# KiCad board BioAmp-EXG-Panel.kicad_pcb (continued)
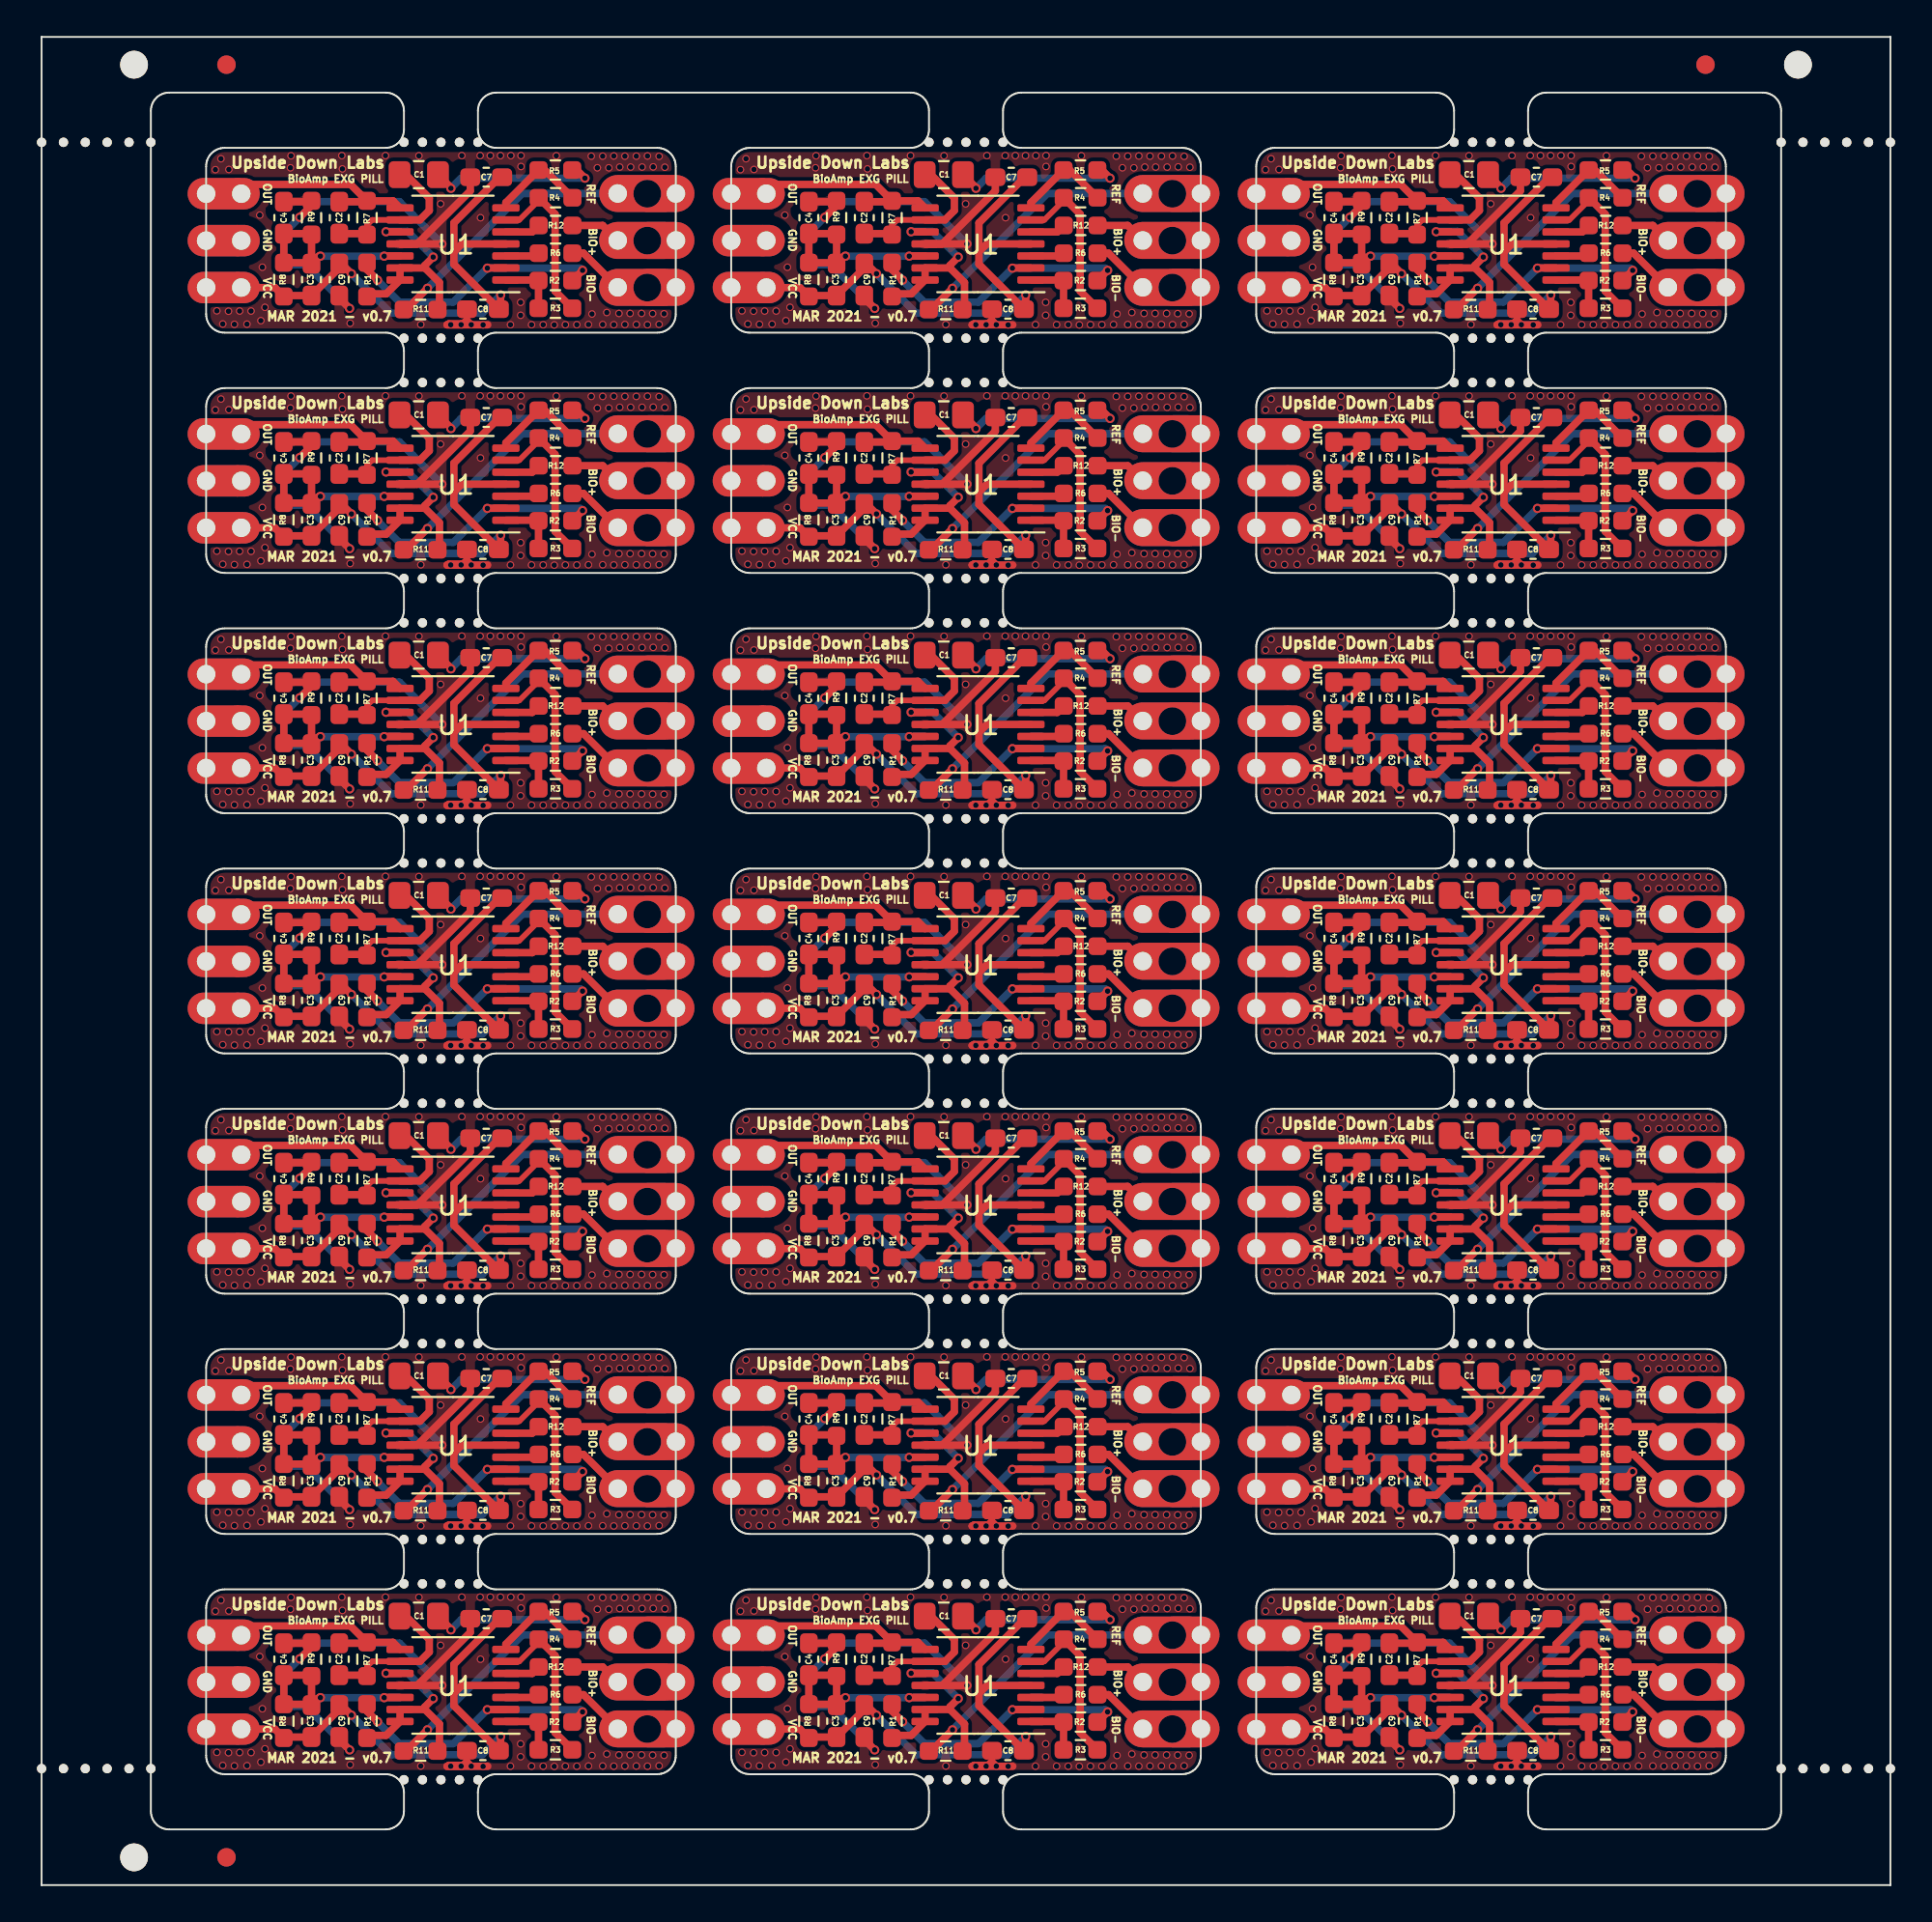
[diagram p0: board, top side]
## Routing (per net, layer and track width the routed paths; a pad name or vN(x,y) marks a point on that pad's centre or on a via; arc(x,y) is an arc through that point) (continued)
Board_13-Net-(R3-Pad1): length 9.1
  Top w0.3: U1#13.6 25.84,38.1 26.89,39.15 R4#13.2
  Top w0.4: R3#13.1 27.78,34.25 27.78,38.41 R4#13.2
Board_13-Net-(R6-Pad1): length 1.8
  Top w0.4: R6#13.1 26.74,36.15 U1#13.3
Board_13-Net-(R12-Pad1): length 1.9
  Top w0.4: R12#13.1 26.54,37.45 U1#13.5
Board_13-OUT: length 11.2
  Top w0.4: R7#13.1 17.55,39.08 C2#13.1 ; R7#13.1 16.71,40.02 10.91,40.02 10.41,39.52 ; R7#13.1 19.01,39.13 U1#13.8
Board_13-VCC: length 30.7
  Top w0.4: 10.41,34.44 12.62,34.44 R8#13.2 13.15,34.01 C3#13.1 16.1,35.51 C9#13.2 16.22,35.73 v2(16.76,35.19) ; 24.81,33.25 24.81,33.52 ; 24.81,33.25 24.81,33.26 ; 24.81,33.25 24.81,33.27 ; U1#13.4 22.73,36.8 22.3,36.37 ; 22.3,36.37 22.3,37.94 24.77,40.41 C7#13.1 ; 22.3,36.37 22.3,35.7 C8#13.2 24.83,33.37 v2(24.83,34.04)
  Top w0.5: 10.75,34.24 10.57,34.42
  Bottom w0.4: v2(24.83,34.04) 23.84,33.05 18.9,33.05 v2(16.76,35.19)
Board_13-vRef: length 11.4
  Top w0.4: C3#13.2 R9#13.2 14.55,37.36 C4#13.1 R8#13.1 14.55,35.78 C3#13.2 ; C3#13.2 14.71,35.73 ; C3#13.2 14.69,35.73 ; C3#13.2 15.01,36.14 v2(15.08,36.14) ; v2(18.53,36.14) 18.54,36.15 U1#13.12
  Bottom w0.4: v2(18.53,36.14) v2(15.08,36.14)
Board_14-ampRef: length 11.4
  Top w0.4: R1#14.2 46.14,34.1 47.04,34.1 U1#14.14 U1#14.13 49.13,35.5 ; R11#14.2 49.92,33.36 49.92,34.71 49.13,35.5 ; 49.13,35.5 49.13,35.64 v2(49.58,36.09) ; 47.03,37.48 47.06,37.45 U1#14.10
  Bottom w0.4: v2(49.58,36.09) 48.19,37.48 47.03,37.48
  vias: v2(47.03,37.46)
Board_14-BIO+: length 2.9
  Top w0.4: 57.2,37.8 R12#14.2 58.75,37.8 J1#28.2
  vias: v1(61.16,36.98)
Board_14-BIO-: length 5.3
  Top w0.4: 59.29,34.41 61.1,34.41 ; 57.4,36.3 R6#14.2 57.71,36.3 J1#28.3
  vias: v1(61.16,34.44)
Board_14-DRL: length 14.3
  Top w0.4: 47.99,33.34 R11#14.1 48.12,33.25 v2(49.27,34.4)
  Bottom w0.4: J1#28.1 54.4,39.53 v2(49.27,34.4)
  vias: v1(61.16,39.52)
Board_14-GND: length 35.9
  Top w0.3: 51.13,32.48 51.41,32.76 C8#14.1 51.41,32.72 51.65,32.48
  Top w0.4: C4#14.2 42.95,39.08 R9#14.1 43,38.88 v2(42.36,38.24) ; U1#14.11 48.7,36.8 ; U1#14.11 48.58,36.8 ; U1#14.11 48.71,36.8 51.59,39.67 C7#14.2 ; U1#14.11 v2(50.05,36.8) ; 51.49,33.25 51.34,33.25 ; 51.13,32.99 C8#14.1 51.65,33.03 ; 50.45,32.46 50.43,32.48 51.1,32.48 51.15,32.42 50.33,32.42 52.53,32.42 ; v2(45.06,33.31) 44.5,33.87 C9#14.1
  Bottom w0.4: v2(50.05,36.8) 47.76,39.09 43.21,39.09 v2(42.36,38.24) 41.5,37.38 41.5,36.21 42.04,35.67 42.7,35.67 v2(45.06,33.31)
  vias: v3(37.8,40.82) v3(37.88,33.18) v3(38.1,41.41) v3(38.2,32.47) v3(38.53,40.83) v3(38.51,33.16) v3(38.83,32.45) v3(39.11,33.17) v3(39.51,32.46) v3(39.73,33.17) v3(40.2,38.36) v3(40.34,35.54) v3(40.26,32.65) v3(40.48,33.37) v3(41.89,41.57) v3(41.86,40.92) v3(44.64,41.58) v3(44.67,40.86) v3(45.09,32.51) v3(47,41.58) v3(48.81,41.57) v3(48.91,32.44) v3(49.98,38.97) v3(50.53,32.43) v3(51.13,41.58) v3(51.09,32.43) v3(51.64,32.43) v3(52.12,41.58) v3(52.14,38.22) v3(52.28,32.42) v3(52.67,41.58) v3(53.22,41.58) v3(53.78,41.58) v3(53.76,32.43) v3(54.33,41.58) v3(54.33,40.99) v3(54.31,33.64) v3(54.31,32.94) v3(54.9,32.43) v3(55.53,32.43) v3(56.13,32.42) v3(56.24,41.57) v3(56.73,32.43) v3(57.35,32.43) v3(57.98,32.44) v3(58.13,41.55) v3(58.17,33.01) v3(58.46,40.92) v3(58.75,41.55) v3(58.75,32.44) v3(58.97,33.09) v3(59.08,40.92) v3(59.35,41.56) v3(59.35,32.43) v3(59.63,33.04) v3(59.67,40.96) v3(59.95,41.55) v3(59.95,32.44) v3(60.23,33.04) v3(60.26,40.96) v3(60.57,41.55) v3(60.57,32.44) v3(60.88,40.96) v3(60.85,33.04) v3(61.17,41.56) v3(61.17,32.43) v3(61.48,40.97) v3(61.45,33.03) v3(61.8,41.54) v3(61.8,32.45) v3(62.11,40.95) v3(62.07,33.02)
Board_14-inaOUT: length 5.2
  Top w0.4: R4#14.1 55.61,40.8 R5#14.2 53.51,39.03 U1#14.7
Board_14-Net-(C1-Pad1): length 8.6
  Top w0.3: U1#14.9 46.28,38.1 46,37.82 R7#14.2
  Top w0.4: R7#14.2 45.95,37.36 C2#14.2 ; 47.8,40.55 C1#14.1 48.11,40.55 49.37,39.29 49.37,38.61 48.86,38.1 U1#14.9
Board_14-Net-(C1-Pad2): length 9.4
  Top w0.4: 49.84,40.59 C1#14.2 50.54,39.85 v2(50.54,39.81) ; v2(57.79,40.36) 57.35,40.8 R5#14.1
  Bottom w0.4: v2(50.54,39.81) 51.09,40.36 v2(57.79,40.36)
Board_14-Net-(R1-Pad1): length 15.3
  Top w0.4: v2(52.51,35.49) 52.52,35.5 U1#14.2 ; v2(57.66,35.37) 57.11,34.82 R2#14.2 ; v2(46.57,34.84) 46,35.41 R1#14.1
  Bottom w0.4: v2(57.66,35.37) 57.54,35.49 v2(52.51,35.49) 50.67,33.65 47.75,33.65 46.61,34.79
Board_14-Net-(R2-Pad1): length 3.3
  Top w0.4: R3#14.2 R2#14.1 55.25,34.85 U1#14.1
Board_14-Net-(R3-Pad1): length 9.1
  Top w0.3: U1#14.6 54.24,38.1 55.29,39.15 R4#14.2
  Top w0.4: R3#14.1 56.18,34.25 56.18,38.41 R4#14.2
Board_14-Net-(R6-Pad1): length 1.8
  Top w0.4: R6#14.1 55.14,36.15 U1#14.3
Board_14-Net-(R12-Pad1): length 1.9
  Top w0.4: R12#14.1 54.94,37.45 U1#14.5
Board_14-OUT: length 11.2
  Top w0.4: R7#14.1 45.95,39.08 C2#14.1 ; R7#14.1 45.11,40.02 39.31,40.02 38.81,39.52 ; R7#14.1 47.41,39.13 U1#14.8
Board_14-VCC: length 30.7
  Top w0.4: 38.81,34.44 41.02,34.44 R8#14.2 41.55,34.01 C3#14.1 44.5,35.51 C9#14.2 44.62,35.73 v2(45.16,35.19) ; 53.21,33.25 53.21,33.52 ; 53.21,33.25 53.21,33.26 ; 53.21,33.25 53.21,33.27 ; U1#14.4 51.13,36.8 50.7,36.37 ; 50.7,36.37 50.7,37.94 53.17,40.41 C7#14.1 ; 50.7,36.37 50.7,35.7 C8#14.2 53.23,33.37 v2(53.23,34.04)
  Top w0.5: 39.15,34.24 38.97,34.42
  Bottom w0.4: v2(53.23,34.04) 52.24,33.05 47.3,33.05 v2(45.16,35.19)
Board_14-vRef: length 11.4
  Top w0.4: C3#14.2 R9#14.2 42.95,37.36 C4#14.1 R8#14.1 42.95,35.78 C3#14.2 ; C3#14.2 43.11,35.73 ; C3#14.2 43.09,35.73 ; C3#14.2 43.41,36.14 v2(43.48,36.14) ; v2(46.93,36.14) 46.94,36.15 U1#14.12
  Bottom w0.4: v2(46.93,36.14) v2(43.48,36.14)
Board_15-ampRef: length 11.4
  Top w0.4: R1#15.2 74.54,34.1 75.44,34.1 U1#15.14 U1#15.13 77.53,35.5 ; R11#15.2 78.32,33.36 78.32,34.71 77.53,35.5 ; 77.53,35.5 77.53,35.64 v2(77.98,36.09) ; 75.43,37.48 75.46,37.45 U1#15.10
  Bottom w0.4: v2(77.98,36.09) 76.59,37.48 75.43,37.48
  vias: v2(75.43,37.46)
Board_15-BIO+: length 2.9
  Top w0.4: 85.6,37.8 R12#15.2 87.15,37.8 J1#30.2
  vias: v1(89.56,36.98)
Board_15-BIO-: length 5.3
  Top w0.4: 87.69,34.41 89.5,34.41 ; 85.8,36.3 R6#15.2 86.11,36.3 J1#30.3
  vias: v1(89.56,34.44)
Board_15-DRL: length 14.3
  Top w0.4: 76.39,33.34 R11#15.1 76.52,33.25 v2(77.67,34.4)
  Bottom w0.4: J1#30.1 82.8,39.53 v2(77.67,34.4)
  vias: v1(89.56,39.52)
Board_15-GND: length 35.9
  Top w0.3: 79.53,32.48 79.81,32.76 C8#15.1 79.81,32.72 80.05,32.48
  Top w0.4: C4#15.2 71.35,39.08 R9#15.1 71.4,38.88 v2(70.76,38.24) ; U1#15.11 77.1,36.8 ; U1#15.11 76.98,36.8 ; U1#15.11 77.11,36.8 79.99,39.67 C7#15.2 ; U1#15.11 v2(78.45,36.8) ; 79.89,33.25 79.74,33.25 ; 79.53,32.99 C8#15.1 80.05,33.03 ; 78.85,32.46 78.83,32.48 79.5,32.48 79.56,32.42 78.73,32.42 80.93,32.42 ; v2(73.46,33.31) 72.9,33.87 C9#15.1
  Bottom w0.4: v2(78.45,36.8) 76.16,39.09 71.61,39.09 v2(70.76,38.24) 69.9,37.38 69.9,36.21 70.44,35.67 71.1,35.67 v2(73.46,33.31)
  vias: v3(66.2,40.82) v3(66.28,33.18) v3(66.5,41.41) v3(66.6,32.47) v3(66.93,40.83) v3(66.91,33.16) v3(67.23,32.45) v3(67.51,33.17) v3(67.91,32.46) v3(68.13,33.17) v3(68.6,38.36) v3(68.74,35.54) v3(68.66,32.65) v3(68.88,33.37) v3(70.29,41.57) v3(70.26,40.92) v3(73.04,41.58) v3(73.07,40.86) v3(73.49,32.51) v3(75.4,41.58) v3(77.21,41.57) v3(77.31,32.44) v3(78.38,38.97) v3(78.93,32.43) v3(79.53,41.58) v3(79.49,32.43) v3(80.04,32.43) v3(80.52,41.58) v3(80.54,38.22) v3(80.68,32.42) v3(81.07,41.58) v3(81.62,41.58) v3(82.18,41.58) v3(82.16,32.43) v3(82.73,41.58) v3(82.73,40.99) v3(82.71,33.64) v3(82.71,32.94) v3(83.3,32.43) v3(83.93,32.43) v3(84.53,32.42) v3(84.64,41.57) v3(85.13,32.43) v3(85.75,32.43) v3(86.38,32.44) v3(86.53,41.55) v3(86.57,33.01) v3(86.86,40.92) v3(87.15,41.55) v3(87.15,32.44) v3(87.37,33.09) v3(87.48,40.92) v3(87.75,41.56) v3(87.75,32.43) v3(88.03,33.04) v3(88.07,40.96) v3(88.35,41.55) v3(88.35,32.44) v3(88.63,33.04) v3(88.66,40.96) v3(88.97,41.55) v3(88.97,32.44) v3(89.28,40.96) v3(89.25,33.04) v3(89.57,41.56) v3(89.57,32.43) v3(89.88,40.97) v3(89.85,33.03) v3(90.2,41.54) v3(90.2,32.45) v3(90.51,40.95) v3(90.47,33.02)
Board_15-inaOUT: length 5.2
  Top w0.4: R4#15.1 84.01,40.8 R5#15.2 81.91,39.03 U1#15.7
Board_15-Net-(C1-Pad1): length 8.6
  Top w0.3: U1#15.9 74.68,38.1 74.4,37.82 R7#15.2
  Top w0.4: R7#15.2 74.35,37.36 C2#15.2 ; 76.2,40.55 C1#15.1 76.51,40.55 77.77,39.29 77.77,38.61 77.26,38.1 U1#15.9
Board_15-Net-(C1-Pad2): length 9.4
  Top w0.4: 78.24,40.59 C1#15.2 78.94,39.85 v2(78.94,39.81) ; v2(86.19,40.36) 85.75,40.8 R5#15.1
  Bottom w0.4: v2(78.94,39.81) 79.49,40.36 v2(86.19,40.36)
Board_15-Net-(R1-Pad1): length 15.3
  Top w0.4: v2(80.91,35.49) 80.92,35.5 U1#15.2 ; v2(86.06,35.37) 85.51,34.82 R2#15.2 ; v2(74.97,34.84) 74.4,35.41 R1#15.1
  Bottom w0.4: v2(86.06,35.37) 85.94,35.49 v2(80.91,35.49) 79.07,33.65 76.15,33.65 75.01,34.79
Board_15-Net-(R2-Pad1): length 3.3
  Top w0.4: R3#15.2 R2#15.1 83.65,34.85 U1#15.1
Board_15-Net-(R3-Pad1): length 9.1
  Top w0.3: U1#15.6 82.64,38.1 83.69,39.15 R4#15.2
  Top w0.4: R3#15.1 84.58,34.25 84.58,38.41 R4#15.2
Board_15-Net-(R6-Pad1): length 1.8
  Top w0.4: R6#15.1 83.54,36.15 U1#15.3
Board_15-Net-(R12-Pad1): length 1.9
  Top w0.4: R12#15.1 83.34,37.45 U1#15.5
Board_15-OUT: length 11.2
  Top w0.4: R7#15.1 74.35,39.08 C2#15.1 ; R7#15.1 73.51,40.02 67.71,40.02 67.21,39.52 ; R7#15.1 75.81,39.13 U1#15.8
Board_15-VCC: length 30.7
  Top w0.4: 67.21,34.44 69.42,34.44 R8#15.2 69.95,34.01 C3#15.1 72.9,35.51 C9#15.2 73.02,35.73 v2(73.56,35.19) ; 81.61,33.25 81.61,33.52 ; 81.61,33.25 81.61,33.26 ; 81.61,33.25 81.61,33.27 ; U1#15.4 79.53,36.8 79.1,36.37 ; 79.1,36.37 79.1,37.94 81.57,40.41 C7#15.1 ; 79.1,36.37 79.1,35.7 C8#15.2 81.63,33.37 v2(81.63,34.04)
  Top w0.5: 67.55,34.24 67.37,34.42
  Bottom w0.4: v2(81.63,34.04) 80.64,33.05 75.7,33.05 v2(73.56,35.19)
Board_15-vRef: length 11.4
  Top w0.4: C3#15.2 R9#15.2 71.35,37.36 C4#15.1 R8#15.1 71.35,35.78 C3#15.2 ; C3#15.2 71.51,35.73 ; C3#15.2 71.49,35.73 ; C3#15.2 71.81,36.14 v2(71.88,36.14) ; v2(75.33,36.14) 75.34,36.15 U1#15.12
  Bottom w0.4: v2(75.33,36.14) v2(71.88,36.14)
Board_16-ampRef: length 11.4
  Top w0.4: R1#16.2 17.74,21.1 18.64,21.1 U1#16.14 U1#16.13 20.73,22.5 ; R11#16.2 21.52,20.36 21.52,21.71 20.73,22.5 ; 20.73,22.5 20.73,22.64 v2(21.18,23.09) ; 18.63,24.48 18.66,24.45 U1#16.10
  Bottom w0.4: v2(21.18,23.09) 19.79,24.48 18.63,24.48
  vias: v2(18.63,24.46)
Board_16-BIO+: length 2.9
  Top w0.4: 28.8,24.8 R12#16.2 30.35,24.8 J1#32.2
  vias: v1(32.76,23.98)
Board_16-BIO-: length 5.3
  Top w0.4: 30.89,21.41 32.7,21.41 ; 29,23.3 R6#16.2 29.31,23.3 J1#32.3
  vias: v1(32.76,21.44)
Board_16-DRL: length 14.3
  Top w0.4: 19.59,20.34 R11#16.1 19.72,20.25 v2(20.87,21.4)
  Bottom w0.4: J1#32.1 26,26.53 v2(20.87,21.4)
  vias: v1(32.76,26.52)
Board_16-GND: length 35.9
  Top w0.3: 22.73,19.48 23.01,19.76 C8#16.1 23.01,19.72 23.25,19.48
  Top w0.4: C4#16.2 14.55,26.08 R9#16.1 14.6,25.88 v2(13.96,25.24) ; U1#16.11 20.3,23.8 ; U1#16.11 20.18,23.8 ; U1#16.11 20.31,23.8 23.19,26.67 C7#16.2 ; U1#16.11 v2(21.65,23.8) ; 23.09,20.25 22.94,20.25 ; 22.73,19.99 C8#16.1 23.25,20.03 ; 22.05,19.46 22.03,19.48 22.7,19.48 22.75,19.42 21.93,19.42 24.13,19.42 ; v2(16.66,20.31) 16.1,20.87 C9#16.1
  Bottom w0.4: v2(21.65,23.8) 19.36,26.09 14.81,26.09 v2(13.96,25.24) 13.1,24.38 13.1,23.21 13.64,22.67 14.3,22.67 v2(16.66,20.31)
  vias: v3(9.4,27.82) v3(9.48,20.18) v3(9.7,28.41) v3(9.8,19.47) v3(10.13,27.83) v3(10.11,20.16) v3(10.43,19.45) v3(10.71,20.17) v3(11.11,19.46) v3(11.33,20.17) v3(11.8,25.36) v3(11.94,22.54) v3(11.86,19.65) v3(12.08,20.37) v3(13.49,28.57) v3(13.46,27.92) v3(16.24,28.58) v3(16.27,27.86) v3(16.69,19.51) v3(18.6,28.58) v3(20.41,28.57) v3(20.51,19.44) v3(21.58,25.97) v3(22.13,19.43) v3(22.73,28.58) v3(22.69,19.43) v3(23.24,19.43) v3(23.72,28.58) v3(23.74,25.22) v3(23.88,19.42) v3(24.27,28.58) v3(24.82,28.58) v3(25.38,28.58) v3(25.36,19.43) v3(25.93,28.58) v3(25.93,27.99) v3(25.91,20.64) v3(25.91,19.94) v3(26.5,19.43) v3(27.13,19.43) v3(27.73,19.42) v3(27.84,28.57) v3(28.33,19.43) v3(28.95,19.43) v3(29.58,19.44) v3(29.73,28.55) v3(29.77,20.01) v3(30.06,27.92) v3(30.35,28.55) v3(30.35,19.44) v3(30.57,20.09) v3(30.68,27.92) v3(30.95,28.56) v3(30.95,19.43) v3(31.23,20.04) v3(31.27,27.96) v3(31.55,28.55) v3(31.55,19.44) v3(31.83,20.04) v3(31.86,27.96) v3(32.17,28.55) v3(32.17,19.44) v3(32.48,27.96) v3(32.45,20.04) v3(32.77,28.56) v3(32.77,19.43) v3(33.08,27.97) v3(33.05,20.03) v3(33.4,28.54) v3(33.4,19.45) v3(33.71,27.95) v3(33.67,20.02)
Board_16-inaOUT: length 5.2
  Top w0.4: R4#16.1 27.21,27.8 R5#16.2 25.11,26.03 U1#16.7
Board_16-Net-(C1-Pad1): length 8.6
  Top w0.3: U1#16.9 17.88,25.1 17.6,24.82 R7#16.2
  Top w0.4: R7#16.2 17.55,24.36 C2#16.2 ; 19.4,27.55 C1#16.1 19.71,27.55 20.97,26.29 20.97,25.61 20.46,25.1 U1#16.9
Board_16-Net-(C1-Pad2): length 9.4
  Top w0.4: 21.44,27.59 C1#16.2 22.14,26.85 v2(22.14,26.81) ; v2(29.39,27.36) 28.95,27.8 R5#16.1
  Bottom w0.4: v2(22.14,26.81) 22.69,27.36 v2(29.39,27.36)
Board_16-Net-(R1-Pad1): length 15.3
  Top w0.4: v2(24.11,22.49) 24.12,22.5 U1#16.2 ; v2(29.26,22.37) 28.71,21.82 R2#16.2 ; v2(18.17,21.84) 17.6,22.41 R1#16.1
  Bottom w0.4: v2(29.26,22.37) 29.14,22.49 v2(24.11,22.49) 22.27,20.65 19.35,20.65 18.21,21.79
Board_16-Net-(R2-Pad1): length 3.3
  Top w0.4: R3#16.2 R2#16.1 26.85,21.85 U1#16.1
Board_16-Net-(R3-Pad1): length 9.1
  Top w0.3: U1#16.6 25.84,25.1 26.89,26.15 R4#16.2
  Top w0.4: R3#16.1 27.78,21.25 27.78,25.41 R4#16.2
Board_16-Net-(R6-Pad1): length 1.8
  Top w0.4: R6#16.1 26.74,23.15 U1#16.3
Board_16-Net-(R12-Pad1): length 1.9
  Top w0.4: R12#16.1 26.54,24.45 U1#16.5
Board_16-OUT: length 11.2
  Top w0.4: R7#16.1 17.55,26.08 C2#16.1 ; R7#16.1 16.71,27.02 10.91,27.02 10.41,26.52 ; R7#16.1 19.01,26.13 U1#16.8
Board_16-VCC: length 30.7
  Top w0.4: 10.41,21.44 12.62,21.44 R8#16.2 13.15,21.01 C3#16.1 16.1,22.51 C9#16.2 16.22,22.73 v2(16.76,22.19) ; 24.81,20.25 24.81,20.52 ; 24.81,20.25 24.81,20.26 ; 24.81,20.25 24.81,20.27 ; U1#16.4 22.73,23.8 22.3,23.37 ; 22.3,23.37 22.3,24.94 24.77,27.41 C7#16.1 ; 22.3,23.37 22.3,22.7 C8#16.2 24.83,20.37 v2(24.83,21.04)
  Top w0.5: 10.75,21.24 10.57,21.42
  Bottom w0.4: v2(24.83,21.04) 23.84,20.05 18.9,20.05 v2(16.76,22.19)
Board_16-vRef: length 11.4
  Top w0.4: C3#16.2 R9#16.2 14.55,24.36 C4#16.1 R8#16.1 14.55,22.78 C3#16.2 ; C3#16.2 14.71,22.73 ; C3#16.2 14.69,22.73 ; C3#16.2 15.01,23.14 v2(15.08,23.14) ; v2(18.53,23.14) 18.54,23.15 U1#16.12
  Bottom w0.4: v2(18.53,23.14) v2(15.08,23.14)
Board_17-ampRef: length 11.4
  Top w0.4: R1#17.2 46.14,21.1 47.04,21.1 U1#17.14 U1#17.13 49.13,22.5 ; R11#17.2 49.92,20.36 49.92,21.71 49.13,22.5 ; 49.13,22.5 49.13,22.64 v2(49.58,23.09) ; 47.03,24.48 47.06,24.45 U1#17.10
  Bottom w0.4: v2(49.58,23.09) 48.19,24.48 47.03,24.48
  vias: v2(47.03,24.46)
Board_17-BIO+: length 2.9
  Top w0.4: 57.2,24.8 R12#17.2 58.75,24.8 J1#34.2
  vias: v1(61.16,23.98)
Board_17-BIO-: length 5.3
  Top w0.4: 59.29,21.41 61.1,21.41 ; 57.4,23.3 R6#17.2 57.71,23.3 J1#34.3
  vias: v1(61.16,21.44)
Board_17-DRL: length 14.3
  Top w0.4: 47.99,20.34 R11#17.1 48.12,20.25 v2(49.27,21.4)
  Bottom w0.4: J1#34.1 54.4,26.53 v2(49.27,21.4)
  vias: v1(61.16,26.52)
Board_17-GND: length 35.9
  Top w0.3: 51.13,19.48 51.41,19.76 C8#17.1 51.41,19.72 51.65,19.48
  Top w0.4: C4#17.2 42.95,26.08 R9#17.1 43,25.88 v2(42.36,25.24) ; U1#17.11 48.7,23.8 ; U1#17.11 48.58,23.8 ; U1#17.11 48.71,23.8 51.59,26.67 C7#17.2 ; U1#17.11 v2(50.05,23.8) ; 51.49,20.25 51.34,20.25 ; 51.13,19.99 C8#17.1 51.65,20.03 ; 50.45,19.46 50.43,19.48 51.1,19.48 51.15,19.42 50.33,19.42 52.53,19.42 ; v2(45.06,20.31) 44.5,20.87 C9#17.1
  Bottom w0.4: v2(50.05,23.8) 47.76,26.09 43.21,26.09 v2(42.36,25.24) 41.5,24.38 41.5,23.21 42.04,22.67 42.7,22.67 v2(45.06,20.31)
  vias: v3(37.8,27.82) v3(37.88,20.18) v3(38.1,28.41) v3(38.2,19.47) v3(38.53,27.83) v3(38.51,20.16) v3(38.83,19.45) v3(39.11,20.17) v3(39.51,19.46) v3(39.73,20.17) v3(40.2,25.36) v3(40.34,22.54) v3(40.26,19.65) v3(40.48,20.37) v3(41.89,28.57) v3(41.86,27.92) v3(44.64,28.58) v3(44.67,27.86) v3(45.09,19.51) v3(47,28.58) v3(48.81,28.57) v3(48.91,19.44) v3(49.98,25.97) v3(50.53,19.43) v3(51.13,28.58) v3(51.09,19.43) v3(51.64,19.43) v3(52.12,28.58) v3(52.14,25.22) v3(52.28,19.42) v3(52.67,28.58) v3(53.22,28.58) v3(53.78,28.58) v3(53.76,19.43) v3(54.33,28.58) v3(54.33,27.99) v3(54.31,20.64) v3(54.31,19.94) v3(54.9,19.43) v3(55.53,19.43) v3(56.13,19.42) v3(56.24,28.57) v3(56.73,19.43) v3(57.35,19.43) v3(57.98,19.44) v3(58.13,28.55) v3(58.17,20.01) v3(58.46,27.92) v3(58.75,28.55) v3(58.75,19.44) v3(58.97,20.09) v3(59.08,27.92) v3(59.35,28.56) v3(59.35,19.43) v3(59.63,20.04) v3(59.67,27.96) v3(59.95,28.55) v3(59.95,19.44) v3(60.23,20.04) v3(60.26,27.96) v3(60.57,28.55) v3(60.57,19.44) v3(60.88,27.96) v3(60.85,20.04) v3(61.17,28.56) v3(61.17,19.43) v3(61.48,27.97) v3(61.45,20.03) v3(61.8,28.54) v3(61.8,19.45) v3(62.11,27.95) v3(62.07,20.02)
Board_17-inaOUT: length 5.2
  Top w0.4: R4#17.1 55.61,27.8 R5#17.2 53.51,26.03 U1#17.7
Board_17-Net-(C1-Pad1): length 8.6
  Top w0.3: U1#17.9 46.28,25.1 46,24.82 R7#17.2
  Top w0.4: R7#17.2 45.95,24.36 C2#17.2 ; 47.8,27.55 C1#17.1 48.11,27.55 49.37,26.29 49.37,25.61 48.86,25.1 U1#17.9
Board_17-Net-(C1-Pad2): length 9.4
  Top w0.4: 49.84,27.59 C1#17.2 50.54,26.85 v2(50.54,26.81) ; v2(57.79,27.36) 57.35,27.8 R5#17.1
  Bottom w0.4: v2(50.54,26.81) 51.09,27.36 v2(57.79,27.36)
Board_17-Net-(R1-Pad1): length 15.3
  Top w0.4: v2(52.51,22.49) 52.52,22.5 U1#17.2 ; v2(57.66,22.37) 57.11,21.82 R2#17.2 ; v2(46.57,21.84) 46,22.41 R1#17.1
  Bottom w0.4: v2(57.66,22.37) 57.54,22.49 v2(52.51,22.49) 50.67,20.65 47.75,20.65 46.61,21.79
Board_17-Net-(R2-Pad1): length 3.3
  Top w0.4: R3#17.2 R2#17.1 55.25,21.85 U1#17.1
Board_17-Net-(R3-Pad1): length 9.1
  Top w0.3: U1#17.6 54.24,25.1 55.29,26.15 R4#17.2
  Top w0.4: R3#17.1 56.18,21.25 56.18,25.41 R4#17.2
Board_17-Net-(R6-Pad1): length 1.8
  Top w0.4: R6#17.1 55.14,23.15 U1#17.3
Board_17-Net-(R12-Pad1): length 1.9
  Top w0.4: R12#17.1 54.94,24.45 U1#17.5
Board_17-OUT: length 11.2
  Top w0.4: R7#17.1 45.95,26.08 C2#17.1 ; R7#17.1 45.11,27.02 39.31,27.02 38.81,26.52 ; R7#17.1 47.41,26.13 U1#17.8
Board_17-VCC: length 30.7
  Top w0.4: 38.81,21.44 41.02,21.44 R8#17.2 41.55,21.01 C3#17.1 44.5,22.51 C9#17.2 44.62,22.73 v2(45.16,22.19) ; 53.21,20.25 53.21,20.52 ; 53.21,20.25 53.21,20.26 ; 53.21,20.25 53.21,20.27 ; U1#17.4 51.13,23.8 50.7,23.37 ; 50.7,23.37 50.7,24.94 53.17,27.41 C7#17.1 ; 50.7,23.37 50.7,22.7 C8#17.2 53.23,20.37 v2(53.23,21.04)
  Top w0.5: 39.15,21.24 38.97,21.42
  Bottom w0.4: v2(53.23,21.04) 52.24,20.05 47.3,20.05 v2(45.16,22.19)
Board_17-vRef: length 11.4
  Top w0.4: C3#17.2 R9#17.2 42.95,24.36 C4#17.1 R8#17.1 42.95,22.78 C3#17.2 ; C3#17.2 43.11,22.73 ; C3#17.2 43.09,22.73 ; C3#17.2 43.41,23.14 v2(43.48,23.14) ; v2(46.93,23.14) 46.94,23.15 U1#17.12
  Bottom w0.4: v2(46.93,23.14) v2(43.48,23.14)
Board_18-ampRef: length 11.4
  Top w0.4: R1#18.2 74.54,21.1 75.44,21.1 U1#18.14 U1#18.13 77.53,22.5 ; R11#18.2 78.32,20.36 78.32,21.71 77.53,22.5 ; 77.53,22.5 77.53,22.64 v2(77.98,23.09) ; 75.43,24.48 75.46,24.45 U1#18.10
  Bottom w0.4: v2(77.98,23.09) 76.59,24.48 75.43,24.48
  vias: v2(75.43,24.46)
Board_18-BIO+: length 2.9
  Top w0.4: 85.6,24.8 R12#18.2 87.15,24.8 J1#36.2
  vias: v1(89.56,23.98)
Board_18-BIO-: length 5.3
  Top w0.4: 87.69,21.41 89.5,21.41 ; 85.8,23.3 R6#18.2 86.11,23.3 J1#36.3
  vias: v1(89.56,21.44)
Board_18-DRL: length 14.3
  Top w0.4: 76.39,20.34 R11#18.1 76.52,20.25 v2(77.67,21.4)
  Bottom w0.4: J1#36.1 82.8,26.53 v2(77.67,21.4)
  vias: v1(89.56,26.52)
Board_18-GND: length 35.9
  Top w0.3: 79.53,19.48 79.81,19.76 C8#18.1 79.81,19.72 80.05,19.48
  Top w0.4: C4#18.2 71.35,26.08 R9#18.1 71.4,25.88 v2(70.76,25.24) ; U1#18.11 77.1,23.8 ; U1#18.11 76.98,23.8 ; U1#18.11 77.11,23.8 79.99,26.67 C7#18.2 ; U1#18.11 v2(78.45,23.8) ; 79.89,20.25 79.74,20.25 ; 79.53,19.99 C8#18.1 80.05,20.03 ; 78.85,19.46 78.83,19.48 79.5,19.48 79.56,19.42 78.73,19.42 80.93,19.42 ; v2(73.46,20.31) 72.9,20.87 C9#18.1
  Bottom w0.4: v2(78.45,23.8) 76.16,26.09 71.61,26.09 v2(70.76,25.24) 69.9,24.38 69.9,23.21 70.44,22.67 71.1,22.67 v2(73.46,20.31)
  vias: v3(66.2,27.82) v3(66.28,20.18) v3(66.5,28.41) v3(66.6,19.47) v3(66.93,27.83) v3(66.91,20.16) v3(67.23,19.45) v3(67.51,20.17) v3(67.91,19.46) v3(68.13,20.17) v3(68.6,25.36) v3(68.74,22.54) v3(68.66,19.65) v3(68.88,20.37) v3(70.29,28.57) v3(70.26,27.92) v3(73.04,28.58) v3(73.07,27.86) v3(73.49,19.51) v3(75.4,28.58) v3(77.21,28.57) v3(77.31,19.44) v3(78.38,25.97) v3(78.93,19.43) v3(79.53,28.58) v3(79.49,19.43) v3(80.04,19.43) v3(80.52,28.58) v3(80.54,25.22) v3(80.68,19.42) v3(81.07,28.58) v3(81.62,28.58) v3(82.18,28.58) v3(82.16,19.43) v3(82.73,28.58) v3(82.73,27.99) v3(82.71,20.64) v3(82.71,19.94) v3(83.3,19.43) v3(83.93,19.43) v3(84.53,19.42) v3(84.64,28.57) v3(85.13,19.43) v3(85.75,19.43) v3(86.38,19.44) v3(86.53,28.55) v3(86.57,20.01) v3(86.86,27.92) v3(87.15,28.55) v3(87.15,19.44) v3(87.37,20.09) v3(87.48,27.92) v3(87.75,28.56) v3(87.75,19.43) v3(88.03,20.04) v3(88.07,27.96) v3(88.35,28.55) v3(88.35,19.44) v3(88.63,20.04) v3(88.66,27.96) v3(88.97,28.55) v3(88.97,19.44) v3(89.28,27.96) v3(89.25,20.04) v3(89.57,28.56) v3(89.57,19.43) v3(89.88,27.97) v3(89.85,20.03) v3(90.2,28.54) v3(90.2,19.45) v3(90.51,27.95) v3(90.47,20.02)
Board_18-inaOUT: length 5.2
  Top w0.4: R4#18.1 84.01,27.8 R5#18.2 81.91,26.03 U1#18.7
Board_18-Net-(C1-Pad1): length 8.6
  Top w0.3: U1#18.9 74.68,25.1 74.4,24.82 R7#18.2
  Top w0.4: R7#18.2 74.35,24.36 C2#18.2 ; 76.2,27.55 C1#18.1 76.51,27.55 77.77,26.29 77.77,25.61 77.26,25.1 U1#18.9
Board_18-Net-(C1-Pad2): length 9.4
  Top w0.4: 78.24,27.59 C1#18.2 78.94,26.85 v2(78.94,26.81) ; v2(86.19,27.36) 85.75,27.8 R5#18.1
  Bottom w0.4: v2(78.94,26.81) 79.49,27.36 v2(86.19,27.36)
Board_18-Net-(R1-Pad1): length 15.3
  Top w0.4: v2(80.91,22.49) 80.92,22.5 U1#18.2 ; v2(86.06,22.37) 85.51,21.82 R2#18.2 ; v2(74.97,21.84) 74.4,22.41 R1#18.1
  Bottom w0.4: v2(86.06,22.37) 85.94,22.49 v2(80.91,22.49) 79.07,20.65 76.15,20.65 75.01,21.79
Board_18-Net-(R2-Pad1): length 3.3
  Top w0.4: R3#18.2 R2#18.1 83.65,21.85 U1#18.1
Board_18-Net-(R3-Pad1): length 9.1
  Top w0.3: U1#18.6 82.64,25.1 83.69,26.15 R4#18.2
  Top w0.4: R3#18.1 84.58,21.25 84.58,25.41 R4#18.2
Board_18-Net-(R6-Pad1): length 1.8
  Top w0.4: R6#18.1 83.54,23.15 U1#18.3
Board_18-Net-(R12-Pad1): length 1.9
  Top w0.4: R12#18.1 83.34,24.45 U1#18.5
Board_18-OUT: length 11.2
  Top w0.4: R7#18.1 74.35,26.08 C2#18.1 ; R7#18.1 73.51,27.02 67.71,27.02 67.21,26.52 ; R7#18.1 75.81,26.13 U1#18.8
Board_18-VCC: length 30.7
  Top w0.4: 67.21,21.44 69.42,21.44 R8#18.2 69.95,21.01 C3#18.1 72.9,22.51 C9#18.2 73.02,22.73 v2(73.56,22.19) ; 81.61,20.25 81.61,20.52 ; 81.61,20.25 81.61,20.26 ; 81.61,20.25 81.61,20.27 ; U1#18.4 79.53,23.8 79.1,23.37 ; 79.1,23.37 79.1,24.94 81.57,27.41 C7#18.1 ; 79.1,23.37 79.1,22.7 C8#18.2 81.63,20.37 v2(81.63,21.04)
  Top w0.5: 67.55,21.24 67.37,21.42
  Bottom w0.4: v2(81.63,21.04) 80.64,20.05 75.7,20.05 v2(73.56,22.19)
Board_18-vRef: length 11.4
  Top w0.4: C3#18.2 R9#18.2 71.35,24.36 C4#18.1 R8#18.1 71.35,22.78 C3#18.2 ; C3#18.2 71.51,22.73 ; C3#18.2 71.49,22.73 ; C3#18.2 71.81,23.14 v2(71.88,23.14) ; v2(75.33,23.14) 75.34,23.15 U1#18.12
  Bottom w0.4: v2(75.33,23.14) v2(71.88,23.14)
Board_19-ampRef: length 11.4
  Top w0.4: R1#19.2 17.74,8.1 18.64,8.1 U1#19.14 U1#19.13 20.73,9.5 ; R11#19.2 21.52,7.36 21.52,8.71 20.73,9.5 ; 20.73,9.5 20.73,9.64 v2(21.18,10.09) ; 18.63,11.48 18.66,11.45 U1#19.10
  Bottom w0.4: v2(21.18,10.09) 19.79,11.48 18.63,11.48
  vias: v2(18.63,11.46)
Board_19-BIO+: length 2.9
  Top w0.4: 28.8,11.8 R12#19.2 30.35,11.8 J1#38.2
  vias: v1(32.76,10.98)
Board_19-BIO-: length 5.3
  Top w0.4: 30.89,8.41 32.7,8.41 ; 29,10.3 R6#19.2 29.31,10.3 J1#38.3
  vias: v1(32.76,8.44)
Board_19-DRL: length 14.3
  Top w0.4: 19.59,7.34 R11#19.1 19.72,7.25 v2(20.87,8.4)
  Bottom w0.4: J1#38.1 26,13.53 v2(20.87,8.4)
  vias: v1(32.76,13.52)
Board_19-GND: length 35.9
  Top w0.3: 22.73,6.48 23.01,6.76 C8#19.1 23.01,6.72 23.25,6.48
  Top w0.4: C4#19.2 14.55,13.08 R9#19.1 14.6,12.88 v2(13.96,12.24) ; U1#19.11 20.3,10.8 ; U1#19.11 20.18,10.8 ; U1#19.11 20.31,10.8 23.19,13.67 C7#19.2 ; U1#19.11 v2(21.65,10.8) ; 23.09,7.25 22.94,7.25 ; 22.73,6.99 C8#19.1 23.25,7.03 ; 22.05,6.46 22.03,6.48 22.7,6.48 22.75,6.42 21.93,6.42 24.13,6.42 ; v2(16.66,7.31) 16.1,7.87 C9#19.1
  Bottom w0.4: v2(21.65,10.8) 19.36,13.09 14.81,13.09 v2(13.96,12.24) 13.1,11.38 13.1,10.21 13.64,9.67 14.3,9.67 v2(16.66,7.31)
  vias: v3(9.4,14.82) v3(9.48,7.18) v3(9.7,15.41) v3(9.8,6.47) v3(10.13,14.83) v3(10.11,7.16) v3(10.43,6.45) v3(10.71,7.17) v3(11.11,6.46) v3(11.33,7.17) v3(11.8,12.36) v3(11.94,9.54) v3(11.86,6.65) v3(12.08,7.37) v3(13.49,15.57) v3(13.46,14.92) v3(16.24,15.58) v3(16.27,14.86) v3(16.69,6.51) v3(18.6,15.58) v3(20.41,15.57) v3(20.51,6.44) v3(21.58,12.97) v3(22.13,6.43) v3(22.73,15.58) v3(22.69,6.43) v3(23.24,6.43) v3(23.72,15.58) v3(23.74,12.22) v3(23.88,6.42) v3(24.27,15.58) v3(24.82,15.58) v3(25.38,15.58) v3(25.36,6.43) v3(25.93,15.58) v3(25.93,14.99) v3(25.91,7.64) v3(25.91,6.94) v3(26.5,6.43) v3(27.13,6.43) v3(27.73,6.42) v3(27.84,15.57) v3(28.33,6.43) v3(28.95,6.43) v3(29.58,6.44) v3(29.73,15.55) v3(29.77,7.01) v3(30.06,14.92) v3(30.35,15.55) v3(30.35,6.44) v3(30.57,7.09) v3(30.68,14.92) v3(30.95,15.56) v3(30.95,6.43) v3(31.23,7.04) v3(31.27,14.96) v3(31.55,15.55) v3(31.55,6.44) v3(31.83,7.04) v3(31.86,14.96) v3(32.17,15.55) v3(32.17,6.44) v3(32.48,14.96) v3(32.45,7.04) v3(32.77,15.56) v3(32.77,6.43) v3(33.08,14.97) v3(33.05,7.03) v3(33.4,15.54) v3(33.4,6.45) v3(33.71,14.95) v3(33.67,7.02)
